# KiCad board KeyBoard.kicad_pcb (continued)
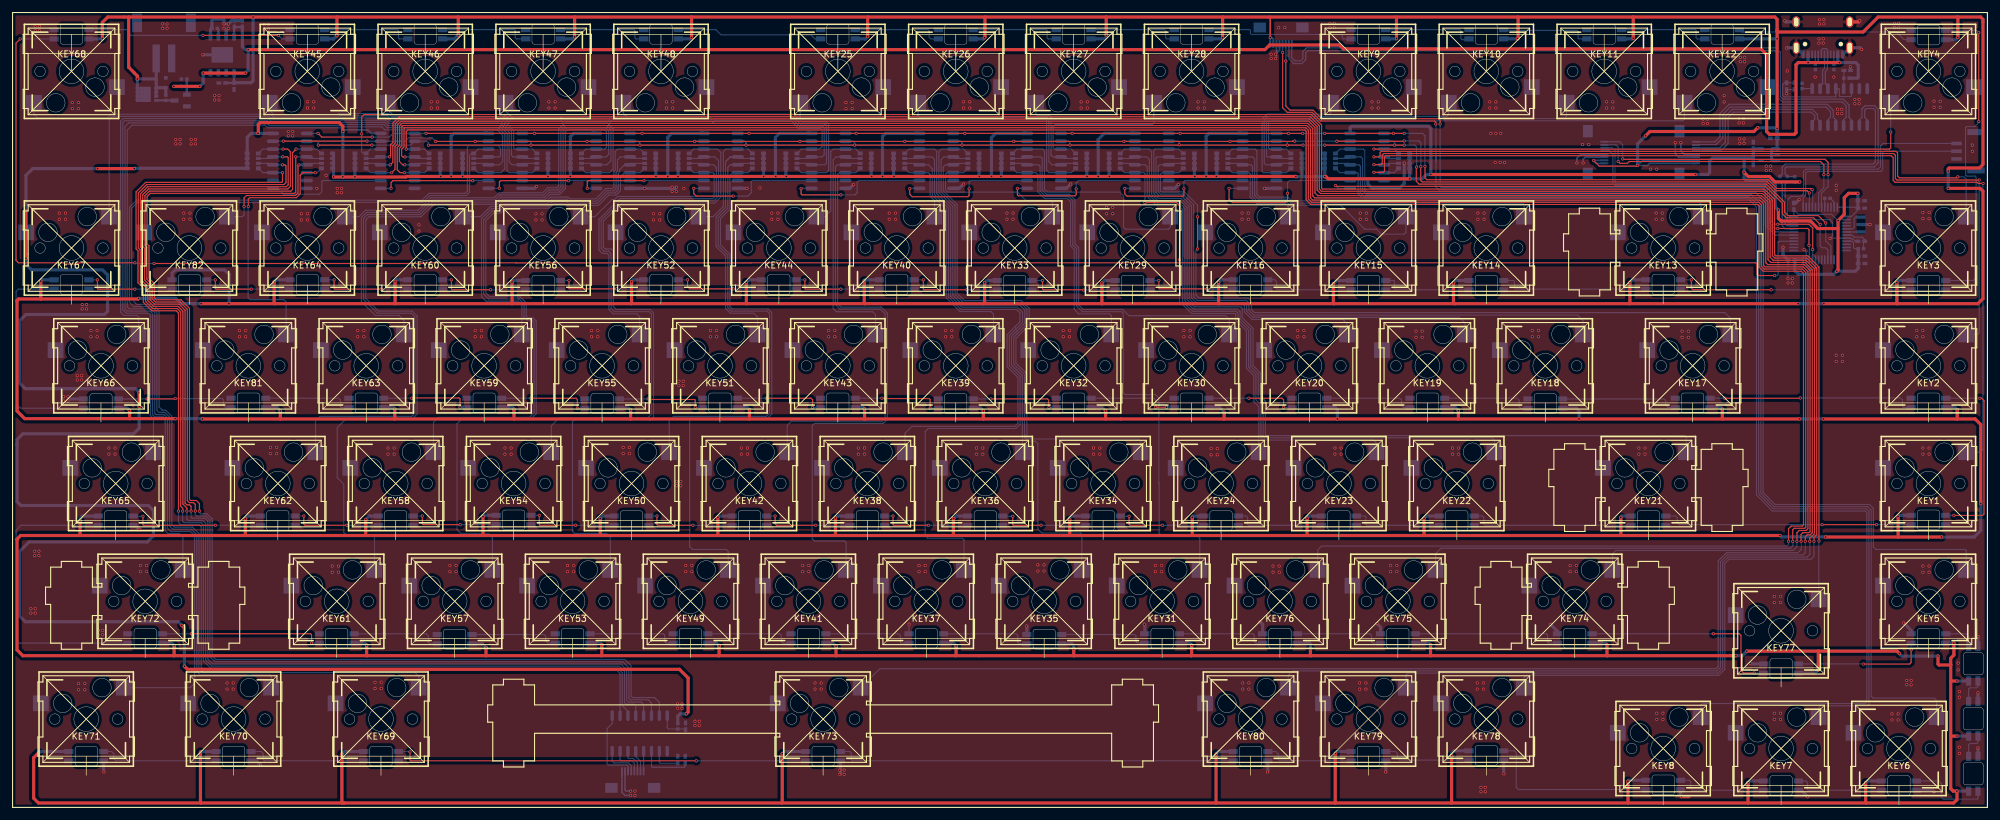
[diagram p0: board, top side]
## Routing (per net, layer and track width the routed paths; a pad name or vN(x,y) marks a point on that pad's centre or on a via; arc(x,y) is an arc through that point) (continued)
GND: length 160.2
  Top w0.508: v1(298.49,127.28) 298.32,127.11 USBC1.0 ; v1(269.69,1.78) 270.89,1.78
  Bottom w0.178: v1(286.89,85.58) 286.9,85.59 C10.2 ; U13.47 294.34,97.94 R28.2 ; U13.35 293.64,95.13 294.09,94.68 294.09,92.48 v1(293.69,92.08) 293.74,92.13 U13.8 297.02,92.13 297.17,91.98 297.39,91.98 297.74,91.63 C7.2 ; v1(289.49,90.28) 289.84,89.93 U13.23 289.84,87.76 R29.2 ; v1(144.89,29.68) 144.86,29.65 LED65.3 ; 299.29,94.33 v1(300.14,94.33) ; C15.1 287.91,116.15 C14.2 286.69,116.13 v1(286.69,115.49) 286.67,115.51
  Bottom w0.254: FPC2.6 204.24,121.33 v1(204.09,121.18) ; v1(296.99,119.84) 297.01,119.82 C16.2 ; v1(99.89,2.68) 99.19,2.68 98.99,2.88 FPC1.2 ; v1(253.79,104.28) 253.79,104.88 254.14,105.23 257.22,105.23 FPC3.6 ; FPC4.6 269.24,105.23 268.69,105.78 v1(268.69,107.58) ; v1(252.79,104.28) 252.79,105.08 253.44,105.73 FPC3.5 ; v1(99.89,1.98) 98.99,1.98 98.49,2.48 FPC1.1 ; v1(269.59,107.58) 269.59,106.28 270.14,105.73 FPC4.5 ; v1(204.09,121.88) 204.74,122.53 FPC2.5
  Bottom w0.508: v1(20.49,44.98) 19.79,45.68 LED58.3 ; v1(170.99,100.88) 170.29,100.18 U4.8 ; v1(14.79,5.78) 14.73,5.83 LED82.3 ; LED76.3 240.95,5.51 v1(240.99,5.48) ; LED79.3 133.79,5.48 v1(133.69,5.38) ; LED85.3 v1(317.59,9.68) ; LED30.3 9.35,66.11 v1(8.99,66.48) ; v1(224.89,104.28) 224.89,100.98 224.09,100.18 U1.8 219.68,100.18 219.03,100.84 219.03,101.58 ; U8.8 102.18,100.18 v1(102.19,100.18) 107.09,100.18 v1(107.29,100.38) ; LED77.3 221.9,5.79 v1(221.89,5.78) ; LED75.3 269.53,1.94 v1(269.69,1.78) ; v1(280.79,23.38) 280.92,23.25 LED71.3 ; LED69.3 221.06,29.2 v1(220.49,29.78) ; U9.8 84.39,100.18 v1(84.69,100.48) ; v1(40.09,6.88) 39.39,7.58 LED81.3 ; v1(248.49,29.68) 249.64,28.53 LED70.3 ; v1(135.89,100.78) 135.29,100.18 U6.8 ; U7.8 118.68,100.18 v1(118.69,100.18) ; U17.1 32.01,125.85 R37.1 32.23,127.32 32.49,127.58 34.09,127.58 34.19,127.48 v1(34.19,126.78) v1(34.89,126.78) 35.48,127.37 C17.1 ; v1(188.39,100.78) 187.79,100.18 U3.8 ; LED73.3 310.25,2.81 v1(310.49,2.58) ; U2.8 202.29,100.18 v1(202.29,100.18) ; v1(286.69,122.88) 286.72,122.91 USBC1.0 288.27,122.91 USBC1.A1 ; v1(153.69,100.88) 152.99,100.18 U5.8 ; LED66.3 163.91,29.35 v1(163.89,29.38) ; U17.9 v1(30.79,121.78) ; LED72.3 306.79,28.68 v1(305.59,29.88) ; v1(298.79,122.68) 298.55,122.91 USBC1.0 295.79,121.84 USBC1.A12 ; U17.3 34.55,125.74 v1(34.89,126.08) ; X1.2 v1(300.14,94.33) ; v1(286.39,127.28) 286.55,127.11 USBC1.0 ; LED67.3 182.96,29.6 v1(182.89,29.68) ; v1(288.69,98.36) 288.15,97.82 C13.2 ; v1(290.09,1.78) 289.05,2.81 LED74.3 ; LED78.3 202.85,5.84 v1(202.79,5.78) ; v1(286.09,90.68) 286.09,89.44 C10.2 ; v1(201.59,30.08) 202.01,29.65 LED68.3 ; LED83.3 v1(317.59,27.68) ; LED84.3 v1(317.59,18.58)
  vias: v1(2.99,32.18) v1(2.99,31.48) v1(3.59,41.48) v1(3.59,40.78) v1(3.69,126.38) v1(3.69,125.68) v1(3.69,32.18) v1(3.69,31.48) v1(4.29,41.48) v1(4.29,40.78) v1(4.39,126.38) v1(4.39,125.68) v1(7.59,96.18) v1(7.59,95.18) v1(8.29,66.48) v1(8.29,65.78) v1(8.59,96.18) v1(8.59,95.18) v1(8.99,65.78) v1(9.69,114.08) v1(9.69,113.08) v1(10.49,69.88) v1(10.49,69.18) v1(10.69,114.08) v1(10.69,113.08) v1(10.69,20.08) v1(10.69,19.08) v1(11.19,69.88) v1(11.19,69.18) v1(11.29,81.38) v1(11.29,80.68) v1(11.69,20.08) v1(11.69,19.08) v1(11.99,81.38) v1(11.99,80.68) v1(12.69,77.18) v1(12.69,76.18) v1(13.69,77.18) v1(13.69,76.18) v1(13.89,28.68) v1(13.89,27.98) v1(14.59,28.68) v1(14.59,27.98) v1(15.59,58.18) v1(15.59,57.18) v1(16.59,58.18) v1(16.59,57.18) v1(20.69,39.18) v1(20.69,38.18) v1(21.69,39.18) v1(21.69,38.18) v1(24.29,126.78) v1(24.29,126.08) v1(24.99,126.78) v1(24.99,126.08) v1(26.39,108.08) v1(26.39,107.38) v1(27.09,108.08) v1(27.09,107.38) v1(27.69,96.18) v1(27.69,95.18) v1(28.69,96.18) v1(28.69,95.18) v1(28.89,108.08) v1(28.89,107.38) v1(29.59,108.08) v1(29.59,107.38) v1(32.69,115.18) v1(32.69,114.48) v1(33.39,115.18) v1(33.39,114.48) v1(34.19,126.08) v1(34.69,20.18) v1(34.69,19.18) v1(35.69,20.18) v1(35.69,19.18) v1(36.69,77.18) v1(36.69,76.18) v1(37.69,77.18) v1(37.69,76.18) v1(40.69,126.68) v1(40.69,125.98) v1(41.39,126.68) v1(41.39,125.98) v1(41.69,58.28) v1(41.69,57.28) v1(42.69,58.28) v1(42.69,57.28) v1(44.59,109.38) v1(44.59,108.68) v1(45.29,109.38) v1(45.29,108.68) v1(46.69,96.08) v1(46.69,95.08) v1(47.69,114.18) v1(47.69,113.18) v1(47.69,96.08) v1(47.69,95.08) v1(48.69,114.18) v1(48.69,113.18) v1(49.19,100.18) v1(50.69,102.28) v1(51.69,39.08) v1(51.69,38.08) v1(52.49,100.18) v1(52.49,99.48) v1(52.69,39.08) v1(52.69,38.08) v1(53.19,100.18) v1(53.19,99.48) v1(55.79,77.18) v1(55.79,76.18) v1(56.79,77.18) v1(56.79,76.18) v1(58.59,20.28) v1(58.59,19.28) v1(59.59,20.28) v1(59.59,19.28) v1(60.69,58.18) v1(60.69,57.18) v1(61.69,58.18) v1(61.69,57.18) v1(65.69,94.28) v1(65.69,93.28) v1(67.69,114.18) v1(67.69,113.18) v1(68.69,114.18) v1(68.69,113.18) v1(70.69,39.18) v1(70.69,38.18) v1(71.69,39.18) v1(71.69,38.18) v1(74.79,77.18) v1(74.79,76.18) v1(75.79,77.18) v1(75.79,76.18) v1(79.59,58.18) v1(79.59,57.18) v1(80.59,58.18) v1(80.59,57.18) v1(84.59,96.08) v1(84.59,95.08) v1(85.59,96.08) v1(85.59,95.08) v1(86.69,114.18) v1(86.69,113.18) v1(87.69,114.18) v1(87.69,113.18) v1(89.69,39.18) v1(89.69,38.18) v1(90.69,39.18) v1(90.69,38.18) v1(93.59,77.18) v1(93.59,76.18) v1(94.59,77.18) v1(94.59,76.18) v1(98.69,58.28) v1(98.69,57.28) v1(99.69,58.28) v1(99.69,57.28) v1(100.59,2.68) v1(100.59,1.98) v1(103.59,96.08) v1(103.59,95.08) v1(104.59,96.08) v1(104.59,95.08) v1(105.69,114.18) v1(105.69,113.18) v1(106.59,100.38) v1(106.59,99.68) v1(106.69,114.18) v1(106.69,113.18) v1(107.29,99.68) v1(107.29,52.78) v1(107.29,52.08) v1(107.49,16.78) v1(107.49,16.08) v1(107.69,68.98) v1(107.69,68.28) v1(107.99,52.78) v1(107.99,52.08) v1(108.19,16.78) v1(108.19,16.08) v1(108.39,68.98) v1(108.39,68.28) v1(108.49,100.18) v1(108.79,39.18) v1(108.79,38.18) v1(109.79,39.18) v1(109.79,38.18) v1(110.29,13.98) v1(110.29,13.28) v1(110.99,13.98) v1(110.99,13.28) v1(112.79,77.18) v1(112.79,76.18) v1(113.79,77.18) v1(113.79,76.18) v1(117.79,58.18) v1(117.79,57.18) v1(118.79,58.18) v1(118.79,57.18) v1(120.79,100.28) v1(122.69,96.18) v1(122.69,95.18) v1(123.69,96.18) v1(123.69,95.18) v1(127.69,39.18) v1(127.69,38.18) v1(128.69,39.18) v1(128.69,38.18) v1(129.69,20.18) v1(129.69,19.18) v1(130.69,20.18) v1(130.69,19.18) v1(131.89,77.18) v1(131.89,76.18) v1(132.89,77.18) v1(132.89,76.18) v1(133.69,6.08) v1(134.39,6.08) v1(134.39,5.38) v1(134.69,114.08) v1(134.69,113.08) v1(135.69,114.08) v1(135.69,113.08) v1(136.69,58.18) v1(136.69,57.18) v1(137.69,58.18) v1(137.69,57.18) v1(141.69,96.18) v1(141.69,95.18) v1(142.69,96.18) v1(142.69,95.18) v1(146.49,39.18) v1(146.49,38.18) v1(147.49,39.18) v1(147.49,38.18) v1(150.79,77.18) v1(150.79,76.18) v1(151.79,77.18) v1(151.79,76.18) v1(153.69,114.18) v1(153.69,113.18) v1(154.69,114.18) v1(154.69,113.18) v1(155.79,58.18) v1(155.79,57.18) v1(156.79,58.18) v1(156.79,57.18) v1(160.69,96.18) v1(160.69,95.18) v1(161.69,96.18) v1(161.69,95.18) v1(165.69,39.28) v1(165.69,38.28) v1(166.69,39.28) v1(166.69,38.28) v1(169.79,77.18) v1(169.79,76.18) v1(170.79,77.18) v1(170.79,76.18) v1(172.69,114.18) v1(172.69,113.18) v1(173.69,114.18) v1(173.69,113.18) v1(174.69,58.18) v1(174.69,57.18) v1(175.69,58.18) v1(175.69,57.18) v1(176.79,97.08) v1(176.79,96.08) v1(177.79,97.08) v1(177.79,96.08) v1(184.69,39.18) v1(184.69,38.18) v1(185.69,39.18) v1(185.69,38.18) v1(189.29,77.18) v1(189.29,76.18) v1(190.29,77.18) v1(190.29,76.18) v1(191.59,114.18) v1(191.59,113.18) v1(192.59,114.18) v1(192.59,113.18) v1(193.69,58.08) v1(193.69,57.08) v1(194.69,58.08) v1(194.69,57.08) v1(198.69,96.18) v1(198.69,95.18) v1(198.79,20.18) v1(198.79,19.18) v1(199.69,96.18) v1(199.69,95.18) v1(199.79,20.18) v1(199.79,19.18) v1(203.39,121.88) v1(203.39,121.18) v1(203.69,39.08) v1(203.69,38.08) v1(204.59,126.18) v1(204.69,39.08) v1(204.69,38.08) v1(205.59,126.18) v1(207.69,77.18) v1(207.69,76.18) v1(208.69,77.18) v1(208.69,76.18) v1(212.89,126.88) v1(212.89,126.18) v1(213.59,126.88) v1(213.59,126.18) v1(213.69,58.18) v1(213.69,57.18) v1(214.69,58.18) v1(214.69,57.18) v1(217.69,20.18) v1(217.69,19.18) v1(217.79,96.18) v1(217.79,95.18) v1(218.69,20.18) v1(218.69,19.18) v1(218.79,96.18) v1(218.79,95.18) v1(219.69,114.18) v1(219.69,113.18) v1(220.69,114.18) v1(220.69,113.18) v1(222.69,39.18) v1(222.69,38.18) v1(223.69,39.18) v1(223.69,38.18) v1(226.79,77.08) v1(226.79,76.08) v1(227.79,77.08) v1(227.79,76.08) v1(232.69,58.18) v1(232.69,57.18) v1(233.69,58.18) v1(233.69,57.18) v1(236.69,20.18) v1(236.69,19.18) v1(236.79,96.18) v1(236.79,95.18) v1(237.29,3.28) v1(237.29,2.58) v1(237.69,20.18) v1(237.69,19.18) v1(237.79,96.18) v1(237.79,95.18) v1(237.99,3.28) v1(237.99,2.58) v1(238.69,114.18) v1(238.69,113.18) v1(238.89,109.08) v1(239.59,104.38) v1(239.69,114.18) v1(239.69,113.18) v1(239.69,109.08) v1(240.39,104.38) v1(240.49,109.08) v1(241.09,104.38) v1(245.59,77.18) v1(245.59,76.18) v1(246.59,77.18) v1(246.59,76.18) v1(251.69,39.18) v1(251.69,38.18) v1(252.69,39.18) v1(252.69,38.18) v1(253.69,107.28) v1(254.69,107.28) v1(257.59,114.18) v1(257.59,113.18) v1(258.59,114.18) v1(258.59,113.18) v1(262.79,58.18) v1(262.79,57.18) v1(263.79,58.18) v1(263.79,57.18) v1(264.69,103.28) v1(265.59,96.18) v1(265.59,95.18) v1(265.69,103.28) v1(265.69,15.28) v1(265.69,14.28) v1(266.59,96.18) v1(266.59,95.18) v1(266.69,15.28) v1(266.69,14.28) v1(269.79,77.08) v1(269.79,76.08) v1(270.79,77.08) v1(270.79,76.08) v1(273.19,111.38) v1(273.19,110.68) v1(273.89,111.38) v1(273.89,110.68) v1(276.59,115.18) v1(276.59,114.18) v1(278.99,111.48) v1(278.99,110.78) v1(279.09,108.18) v1(279.09,107.48) v1(279.19,121.38) v1(279.19,120.68) v1(279.69,111.48) v1(279.69,110.78) v1(279.79,108.18) v1(279.79,107.48) v1(279.89,121.38) v1(279.89,120.68) v1(283.39,103.78) v1(283.39,103.08) v1(284.09,103.78) v1(284.09,103.08) v1(284.69,34.18) v1(284.69,33.18) v1(284.69,15.28) v1(284.69,14.28) v1(285.69,34.18) v1(285.69,33.18) v1(285.69,15.28) v1(285.69,14.28) v1(286.79,119.18) v1(286.89,84.88) v1(287.59,85.58) v1(287.59,84.88) v1(291.29,118.18) v1(291.89,124.38) v1(291.89,123.68) v1(291.99,127.48) v1(291.99,126.78) v1(292.59,124.38) v1(292.59,123.68) v1(292.69,127.48) v1(292.69,126.78) v1(294.29,118.18) v1(294.69,100.68) v1(294.69,99.88) v1(294.69,73.18) v1(294.69,72.18) v1(294.89,112.98) v1(294.89,112.28) v1(295.59,112.98) v1(295.59,112.28) v1(295.69,73.18) v1(295.69,72.18) v1(297.69,114.58) v1(297.69,113.88) v1(298.39,114.58) v1(298.39,113.88) v1(303.69,15.18) v1(303.69,14.18) v1(304.09,126.88) v1(304.09,126.18) v1(304.69,15.18) v1(304.69,14.18) v1(304.79,126.88) v1(304.79,126.18) v1(306.09,20.58) v1(306.09,19.88) v1(306.79,20.58) v1(306.79,19.88) v1(307.69,77.18) v1(307.69,76.18) v1(308.69,96.28) v1(308.69,95.28) v1(308.69,77.18) v1(308.69,76.18) v1(308.69,58.18) v1(308.69,57.18) v1(308.69,39.08) v1(308.69,38.08) v1(309.69,96.28) v1(309.69,95.28) v1(309.69,58.18) v1(309.69,57.18) v1(309.69,39.08) v1(309.69,38.08) v1(310.49,114.28) v1(310.49,113.28) v1(311.49,114.28) v1(311.49,113.28) v1(314.39,23.38) v1(314.39,22.28) v1(314.59,18.78) v1(314.59,17.88) v1(314.59,9.78) v1(314.59,8.78) v1(316.69,107.18) v1(316.69,106.18)
VBUS: length 318.4
  Top w0.508: v1(38.09,122.63) 202.39,122.63 203.14,123.38 214.44,123.38 215.09,122.73 282.54,122.73 283.44,121.83 283.44,109.38 283.89,108.93 287.94,108.93 288.19,109.18 288.19,120.18 288.54,120.53 v1(290.14,120.53) v1(295.24,120.53) ; v1(30.29,116.68) v1(26.09,116.68) ; v1(37.64,118.83) v1(30.84,118.83)
  Bottom w0.381: U17.4 35.82,126.23 C18.1 C17.2
  Bottom w0.508: R34.1 27.31,116.68 v1(26.09,116.68) ; R33.2 298.12,118.01 298.24,118.13 298.24,120.13 297.84,120.53 v1(295.24,120.53) 294.94,120.83 USBC1.A9 ; U17.8 30.88,118.87 v1(30.84,118.83) 30.84,117.23 v1(30.29,116.68) ; C17.2 37.16,123.1 37.64,122.63 v1(38.09,122.63) 38.09,119.28 v1(37.64,118.83) ; USBC1.A4 v1(290.14,120.53)
/Device/USB_1_DN: length 30
  Bottom w0.2: U15.1 299.7,111.27 299.29,111.68 299.29,112.86 299.52,113.09 300.71,113.09 301.01,112.78 301.01,104.47 300.65,104.1 286.45,104.1 285.97,103.63 285.97,102.51 285.59,102.13 R25.2
/Device/USB_1_DP: length 32.7
  Bottom w0.178: R26.2 286.8,102.08 R27.1
  Bottom w0.2: U15.2 298.43,111.27 298.84,111.68 298.84,113.04 299.34,113.54 300.89,113.54 301.46,112.97 301.46,104.28 300.83,103.65 286.63,103.65 286.42,103.44 286.42,102.54 286.79,102.18 R26.2
/Device/USB_2_DN: length 105.5
  Bottom w0.2: FPC2.1 206.72,123.49 206.72,121.32 207.22,120.81 208.15,120.81 208.51,121.17 208.51,122.32 209.1,122.9 217.28,122.9 236.33,122.9 255.38,122.9 284.96,122.9 285.67,122.2 285.67,115.03 286.09,114.61 295.82,114.61 296.75,113.68 296.75,111.68 297.16,111.27 U15.3
/Device/USB_2_DP: length 105.5
  Bottom w0.2: U15.4 295.89,111.27 296.3,111.68 296.3,113.5 295.64,114.16 286.01,114.16 285.29,114.88 285.29,121.98 284.81,122.45 221.11,122.45 221.11,122.45 217.1,122.45 217.1,122.45 209.28,122.45 208.96,122.13 208.96,120.99 208.34,120.36 207.04,120.36 206.27,121.13 206.27,123.49 FPC2.2
/Device/USB_3_DN: length 29.9
  Bottom w0.2: FPC4.1 272.05,107.7 275.1,107.7 275.91,108.52 275.91,112.32 277.38,113.78 293.22,113.78 294.21,112.8 294.21,111.68 294.62,111.27 U15.5
/Device/USB_3_DP: length 29.2
  Bottom w0.2: U15.6 293.35,111.27 293.76,111.68 293.76,112.61 293.04,113.33 277.56,113.33 276.36,112.13 276.36,108.33 275.28,107.25 272.05,107.25 FPC4.2
/Device/USB_4_DN: length 27
  Bottom w0.2: FPC4.3 273,106.73 273.03,106.7 275.85,106.7 276.76,107.62 276.76,111.82 277.9,112.95 290.83,112.95 291.67,112.11 291.67,111.38 292.08,110.97 U15.7
/Device/USB_4_DP: length 26.2
  Bottom w0.2: U15.8 290.81,110.97 291.22,111.38 291.22,111.93 290.64,112.5 278.08,112.5 277.21,111.63 277.21,107.43 276.03,106.25 273.03,106.25 273,106.23 FPC4.4
/Device/USB_HUB_DN: length 8
  Bottom w0.2: 292.81,120.73 292.81,120.84 292.79,120.87 USBC1.A7 ; 292.81,120.73 292.81,119.59 292.48,119.26 292.48,117.24 292.49,117.23 292.49,117.08 292.08,116.67 U15.10 ; 292.81,120.73 292.76,120.68 291.94,120.68 291.79,120.83 291.79,120.99 USBC1.B7
/Device/USB_HUB_DP: length 8.5
  Bottom w0.2: USBC1.A6 292.29,122.58 292.49,122.78 293.09,122.78 293.29,122.58 USBC1.B6 293.29,120.87 293.26,120.84 293.26,119.41 292.93,119.07 292.93,117.09 293.35,116.67 U15.11
/KEY/CE: length 278.1
  Top w0.178: 199.09,107.78 v1(196.74,107.78) ; 199.09,107.78 206.84,107.78 206.89,107.83 v1(207.19,107.83) ; 199.09,107.78 v1(179.59,107.78) v1(161.79,107.78) v1(144.19,107.78) v1(127.24,107.78) v1(110.24,107.78) v1(92.84,107.78) v1(74.79,107.78) v1(68.39,107.78) ; v1(224.89,107.85) 224.84,107.8 v1(213.99,107.8) ; v1(290.34,99.43) 289.97,99.8 284.96,99.8 283.54,101.22 227.79,101.22 227.56,101.45 v1(227.56,103.71) ; v1(57.29,107.83) v1(43.79,107.83)
  Bottom w0.178: v1(179.59,107.78) 179.61,107.8 U3.15 ; U13.39 v1(290.34,99.43) ; U9.15 74.81,107.8 v1(74.79,107.78) ; U2.15 196.76,107.8 v1(196.74,107.78) ; v1(127.24,107.78) 127.26,107.8 U6.15 ; U7.15 110.26,107.8 v1(110.24,107.78) ; v1(227.56,103.71) 227.59,103.74 227.59,107.53 227.26,107.85 v1(224.89,107.85) ; U8.15 92.86,107.8 v1(92.84,107.78) ; v1(43.79,107.83) 42.13,107.83 U11.15 ; U5.15 144.21,107.8 v1(144.19,107.78) ; U4.15 161.81,107.8 v1(161.79,107.78) ; v1(57.29,107.83) 57.31,107.8 U10.15 63.5,107.8 64.07,108.37 65.9,108.37 65.95,108.33 67.84,108.33 v1(68.39,107.78) ; U1.15 207.21,107.8 v1(207.19,107.83)
/KEY/DS1: length 18.6
  Top w0.178: v1(89.86,101.43) 78.89,101.43 78.69,101.23 v1(78.69,100.18)
  Bottom w0.178: v1(78.69,100.18) 78.34,100.18 78.33,100.18 U9.9 ; v1(89.86,101.43) 89.88,101.45 U8.10
/KEY/DS2: length 24
  Top w0.178: v1(154.59,100.09) 154.59,99.03 154.39,98.83 145.39,98.83 144.99,99.23 v1(144.99,100.13)
  Bottom w0.178: U5.9 145.04,100.18 v1(144.99,100.13) ; v1(154.59,100.09) 154.59,101.28 154.76,101.45 U4.10
/KEY/PL: length 270.9
  Top w0.178: v1(224.89,109.08) v1(223.14,109.08) v1(212.04,109.08) ; v1(290.79,99.98) 290.61,100.15 285.11,100.15 283.69,101.58 228.54,101.58 228.24,101.88 v1(228.24,103.73) ; v1(208.49,109.08) v1(206.19,109.08) v1(188.69,109.08) v1(153.89,109.08) v1(136.34,109.08) v1(119.04,109.08) v1(101.74,109.08) v1(84.34,109.08) v1(66.84,109.08) ; v1(58.14,108.48) 49.99,108.48 v1(49.39,109.08)
  Bottom w0.178: U8.1 101.73,109.07 v1(101.74,109.08) ; U3.1 188.68,109.07 v1(188.69,109.08) ; v1(208.49,109.08) v1(212.04,109.08) ; U13.40 290.84,97.81 290.89,97.86 290.89,99.88 v1(290.79,99.98) ; 171.24,109.08 v1(171.23,109.07) U4.1 ; U1.1 223.13,109.07 v1(223.14,109.08) ; v1(119.04,109.08) 119.03,109.07 U7.1 ; v1(84.34,109.08) 84.33,109.07 U9.1 ; v1(228.24,103.73) 228.24,108.68 227.84,109.08 v1(224.89,109.08) ; U5.1 153.88,109.07 v1(153.89,109.08) ; v1(66.84,109.08) 66.83,109.07 U10.1 64.98,109.08 61.49,109.08 60.89,108.48 v1(58.14,108.48) ; v1(206.19,109.08) 206.18,109.07 U2.1 ; U6.1 136.33,109.07 v1(136.34,109.08) ; U11.1 49.38,109.07 v1(49.39,109.08)
/KEY/SPI1_CLK: length 280.9
  Top w0.178: v1(67.24,107.18) v1(83.79,107.18) v1(101.39,107.18) v1(118.54,107.18) v1(153.44,107.18) v1(170.89,107.18) v1(205.99,107.18) v1(208.52,107.18) ; v1(292.99,94.58) 291.79,95.77 286.89,95.77 286.34,96.32 286.34,97.91 283.39,100.86 227.3,100.86 226.84,101.33 226.84,103.58 v1(226.89,103.63) ; v1(49.44,107.18) v1(58.09,107.18) 58.19,107.18 ; v1(224.89,107.18) v1(223.34,107.18) v1(212.04,107.18)
  Bottom w0.178: v1(226.89,103.63) 226.89,106.88 226.59,107.18 v1(224.89,107.18) ; v1(208.52,107.18) v1(212.04,107.18) ; v1(153.44,107.18) 153.44,107.58 153.21,107.8 U5.2 ; v1(67.24,107.18) 67.24,107.53 66.96,107.8 U10.2 64.36,107.18 v1(58.09,107.18) ; v1(188.54,107.23) 188.54,107.58 188.31,107.8 U3.2 ; U8.2 101.11,107.8 101.39,107.53 v1(101.39,107.18) ; U1.2 223.11,107.8 223.34,107.58 v1(223.34,107.18) ; v1(83.79,107.18) 83.79,107.63 83.61,107.8 U9.2 ; U4.2 170.66,107.8 170.84,107.63 170.84,107.23 v1(170.89,107.18) ; v1(205.99,107.18) 205.99,107.63 205.81,107.8 U2.2 ; v1(136.09,107.18) 136.09,107.58 135.86,107.8 U6.2 ; U11.2 49.31,107.8 49.44,107.68 v1(49.44,107.18) ; v1(118.54,107.18) 118.54,107.58 118.31,107.8 U7.2 ; v1(292.99,94.58) 292.99,91.68 293.84,90.83 U13.15
/KEY/SPI1_MISO: length 91
  Top w0.178: v1(292.09,94.36) 291.03,95.42 286.65,95.42 285.99,96.08 285.99,97.77 283.25,100.51 213.91,100.51 v1(213.79,100.63)
  Bottom w0.178: v1(292.09,94.36) 292.09,90.88 292.39,90.58 292.99,90.58 293.34,90.23 U13.16 ; U1.9 214.23,100.18 v1(213.79,100.63)
/LED/LED_CE: length 336.4
  Top w0.178: v1(19.78,88.14) 10.81,88.14 10.61,87.94 8.49,87.94 8.29,88.14 0.98,88.14 0.59,88.53 0.59,123.68 v1(1.26,124.35) ; v1(284.74,86.08) 282.14,86.08 281.88,86.33 281.88,87.93 281.68,88.14 119.33,88.14 119.32,88.13 81.38,88.13 81.37,88.14 66.69,88.14 66.58,88.03 v1(22.89,88.03)
  Bottom w0.178: v1(19.78,88.14) 19.9,88.03 v1(22.89,88.03) ; v1(1.26,124.35) LED1.4 ; U13.28 285.44,91.63 285.29,91.48 285.29,86.23 285.14,86.08 v1(284.74,86.08)
/MCU/I2C1_SCL: length 45.6
  Top w0.178: v1(259.46,104.53) 259.76,104.23 260.94,104.23 261.24,104.53 292.14,104.53 292.69,103.98 v1(292.69,102.4)
  Bottom w0.178: v1(292.69,102.4) 292.69,100.28 291.84,99.43 U13.42 ; FPC3.2 259.09,107.23 259.46,106.85 v1(259.46,104.53)
/MCU/I2C1_SDA: length 46.6
  Top w0.178: v1(293.37,102.4) 293.37,104.4 292.88,104.88 260.25,104.88 v1(260.19,104.94)
  Bottom w0.178: v1(260.19,104.94) 260.19,107.23 259.69,107.73 FPC3.1 ; U13.43 292.29,97.18 292.29,99.37 293.37,100.45 v1(293.37,102.4)
/MCU/I2C2_SCL: length 50.6
  Top w0.178: v1(285.24,94.38) 290.29,94.38 290.89,93.78 v1(290.89,90.28)
  Bottom w0.178: v1(285.24,94.38) 284.59,94.38 284.29,94.68 284.29,100.58 283.86,101 259.14,101 258.94,101.2 258.94,106.27 258.49,106.73 FPC3.3 ; v1(290.89,90.28) 290.89,88.68 U13.21
/MCU/I2C2_SDA: length 49.3
  Top w0.178: v1(285.24,93.69) 290.07,93.69 290.29,93.48 v1(290.29,90.98)
  Bottom w0.178: FPC3.4 258.06,106.23 258.59,105.7 258.59,101.03 258.97,100.65 283.52,100.65 283.93,100.23 283.93,94.53 284.77,93.69 v1(285.24,93.69) ; U13.22 290.34,90.93 v1(290.29,90.98)
/MCU/NRST: length 4.8
  Bottom w0.178: U13.7 297.24,92.63 297.59,92.28 298.89,92.28 299.28,91.89 C7.1 299.1,91.45 R24.1
/MCU/OSC_IN: length 4.6
  Bottom w0.178: U13.5 297.34,93.63 297.59,93.88 297.59,95.28 297.84,95.53 299.29,95.53
/MCU/OSC_OUT: length 3
  Bottom w0.178: U13.6 299.29,93.13
/MCU/SWCLK: length 33.1
  Bottom w0.178: CN1.2 302.4,106.19 302.19,105.98 302.19,103.22 301.89,102.93 301.74,102.93 301.73,102.92 290.03,102.92 289.74,102.63 289.74,99.13 289.34,98.72 U13.37
/MCU/SWDIO: length 39.8
  Bottom w0.178: U13.34 286.94,94.63 286.79,94.78 286.79,98.28 287.39,98.88 288.99,98.88 289.39,99.28 289.39,102.88 289.79,103.28 301.44,103.28 301.83,103.67 301.83,107.03 302.24,107.44 CN1.1
/MCU/UART_RX: length 110.1
  Top w0.178: v1(230.69,110.59) 230.69,111.18 230.43,111.43 211.56,111.43 210.16,112.83 206.44,112.83 205.76,113.51 v1(205.76,120.78)
  Bottom w0.178: v1(230.69,110.59) 230.69,100.48 230.87,100.29 283.27,100.29 283.58,99.99 283.58,94.38 284.83,93.13 U13.31 ; FPC2.3 205.76,123.5 v1(205.76,120.78)
/MCU/UART_TX: length 111.8
  Top w0.178: v1(229.99,110.59) 229.99,110.88 229.79,111.08 211.41,111.08 210.02,112.47 205.99,112.47 205.24,113.23 v1(205.24,122.18)
  Bottom w0.178: 230.02,105.18 230.02,105.28 ; 230.02,105.18 230.02,104.48 ; 230.02,105.18 230.02,104.88 ; 230.02,105.28 230.02,110.56 v1(229.99,110.59) ; 230.02,105.28 230.02,104.88 ; 230.02,104.48 230.02,104.88 ; 230.02,104.48 230.02,100.4 230.48,99.93 282.93,99.93 283.22,99.64 283.22,94.23 284.83,92.63 U13.30 ; FPC2.4 v1(205.24,122.18)
/MCU/USB_D_N: length 9.4
  Bottom w0.2: R25.1 285.97,100.86 285.97,94.11 286.43,93.65 287.2,93.65 287.22,93.63 U13.32
/MCU/USB_D_P: length 8.5
  Bottom w0.2: R26.1 286.42,100.86 286.42,94.44 286.74,94.13 U13.33
LED1: length 14.8
  Bottom w0.178: LED12.2 271.91,125.85 272.04,125.73 272.04,124.53 272.21,124.35 LED13.4
LED2: length 14.8
  Top w0.178: v1(89.94,85.28) 89.94,83.98 89.99,83.93 v1(97.62,83.93)
  Bottom w0.178: LED24.2 97.66,83.89 v1(97.62,83.93) ; v1(89.94,85.28) LED25.4
LED3: length 14.9
  Top w0.178: v1(140.5,66.23) 140.89,66.23 140.94,66.18 148.14,66.18 148.29,66.03 v1(148.29,64.63)
  Bottom w0.178: LED36.2 v1(140.5,66.23) ; v1(148.29,64.63) 148.3,64.61 LED37.4
LED4: length 14.7
  Bottom w0.178: LED49.4 199.34,47.18 199.59,46.93 199.59,45.83 199.74,45.68 LED48.2
LED5: length 14.8
  Bottom w0.178: LED61.4 67.42,26.51 67.19,26.74 67.19,27.83 66.89,28.13 LED60.2
LED6: length 13.7
  Bottom w0.178: LED85.2 317.59,1.48 317.49,1.38 311.99,1.38 311.69,1.68 311.69,3.88 311.25,4.31 LED73.4 307.64,4.33
Net-(LED1-DOUT): length 33.4
  Top w0.178: v1(30.79,124.93) v1(42.99,124.93)
  Bottom w0.178: v1(42.99,124.93) 43.56,124.35 LED2.4 ; LED1.2 18.76,125.85 18.94,125.68 18.94,125.13 19.14,124.93 v1(30.79,124.93)
Net-(LED2-DOUT): length 14.8
  Bottom w0.178: LED2.2 62.21,125.85 62.39,125.68 62.39,124.5 62.54,124.35 LED3.4
Net-(LED3-DOUT): length 14.7
  Bottom w0.178: LED4.4 81.46,124.35 81.24,124.58 81.24,125.73 81.11,125.85 LED3.2
Net-(LED4-DOUT): length 14.7
  Bottom w0.178: LED5.4 100.76,124.35 100.59,124.53 100.59,125.68 100.41,125.85 LED4.2
Net-(LED5-DOUT): length 23.6
  Bottom w0.178: LED6.4 129.71,124.35 129.04,125.03 114.49,125.03 113.66,125.85 LED5.2
Net-(LED6-DOUT): length 14.7
  Bottom w0.178: LED7.4 148.41,124.35 148.14,124.63 148.14,125.68 147.96,125.85 LED6.2
Net-(LED7-DOUT): length 14.8
  Bottom w0.178: LED7.2 167.06,125.85 167.19,125.73 167.19,124.53 167.36,124.35 LED8.4
Net-(LED8-DOUT): length 14.7
  Bottom w0.178: LED9.4 186.51,124.35 186.34,124.53 186.34,125.68 186.16,125.85 LED8.2
Net-(LED10-DIN): length 24.2
  Bottom w0.178: LED10.4 215.06,124.35 214.89,124.53 214.89,124.98 214.79,125.08 200.19,125.08 200.04,125.23 200.04,125.73 199.91,125.85 LED9.2
Net-(LED10-DOUT): length 14.9
  Bottom w0.178: 235.35,124.24 234.23,124.24 234.04,124.43 234.04,125.68 233.86,125.85 LED10.2
Net-(LED11-DOUT): length 14.7
  Bottom w0.178: 240.95,125.74 252.83,125.74 252.99,125.58 252.99,124.48 253.11,124.35 LED12.4
Net-(LED13-DOUT): length 28.4
  Bottom w0.178: LED14.4 305.63,124.24 304.39,125.48 279.43,125.48 LED13.2
Net-(LED14-DOUT): length 53.4
  Top w0.178: v1(317.71,125.38) v1(317.71,110.98)
  Bottom w0.178: LED14.2 317.36,125.74 v1(317.71,125.38) ; LED15.4 316.84,85.28 317.29,85.73 317.29,101.98 317.09,102.18 315.74,102.18 315.59,102.33 315.59,110.03 315.74,110.18 317.09,110.18 317.71,110.8 v1(317.71,110.98)
Net-(LED15-DOUT): length 38.7
  Top w0.178: v1(284.17,83.78) 271.54,83.78 271.29,84.03 v1(271.29,85.38)
  Bottom w0.178: LED15.2 v1(284.17,83.78) ; v1(271.29,85.38) 269.54,85.38 LED16.4
Net-(LED16-DOUT): length 24.2
  Bottom w0.178: LED17.4 242.54,85.28 242.69,85.13 242.69,84.08 242.87,83.89 LED16.2
Net-(LED17-DOUT): length 14.8
  Bottom w0.178: LED17.2 223.44,83.78 223.29,83.93 223.29,85.18 223.19,85.28 LED18.4
Net-(LED18-DOUT): length 14.8
  Bottom w0.178: LED19.4 203.97,85.39 204.24,85.13 204.24,83.93 204.39,83.78 LED18.2
Net-(LED19-DOUT): length 14.8
  Top w0.178: v1(185.24,85.28) 185.24,84.03 185.34,83.93 v1(193.01,83.93)
  Bottom w0.178: v1(185.24,85.28) LED20.4 ; v1(193.01,83.93) 193.04,83.89 LED19.2